# Altium PCB Bran_Main_Assay_PCB_v2.PcbDoc (part 11 of 15)
Units mil, origin at the board's own origin, x right, y up, seen from the top; angles counter-clockwise.
Board outline 3608.46 x 1899.79 mil, 6 copper layers (TOP, GND1, Singal, POWER, GND2, BOTTOM), stack 31.508 mil thick; 363 components, 288 nets, 1386 pads, 975 vias.
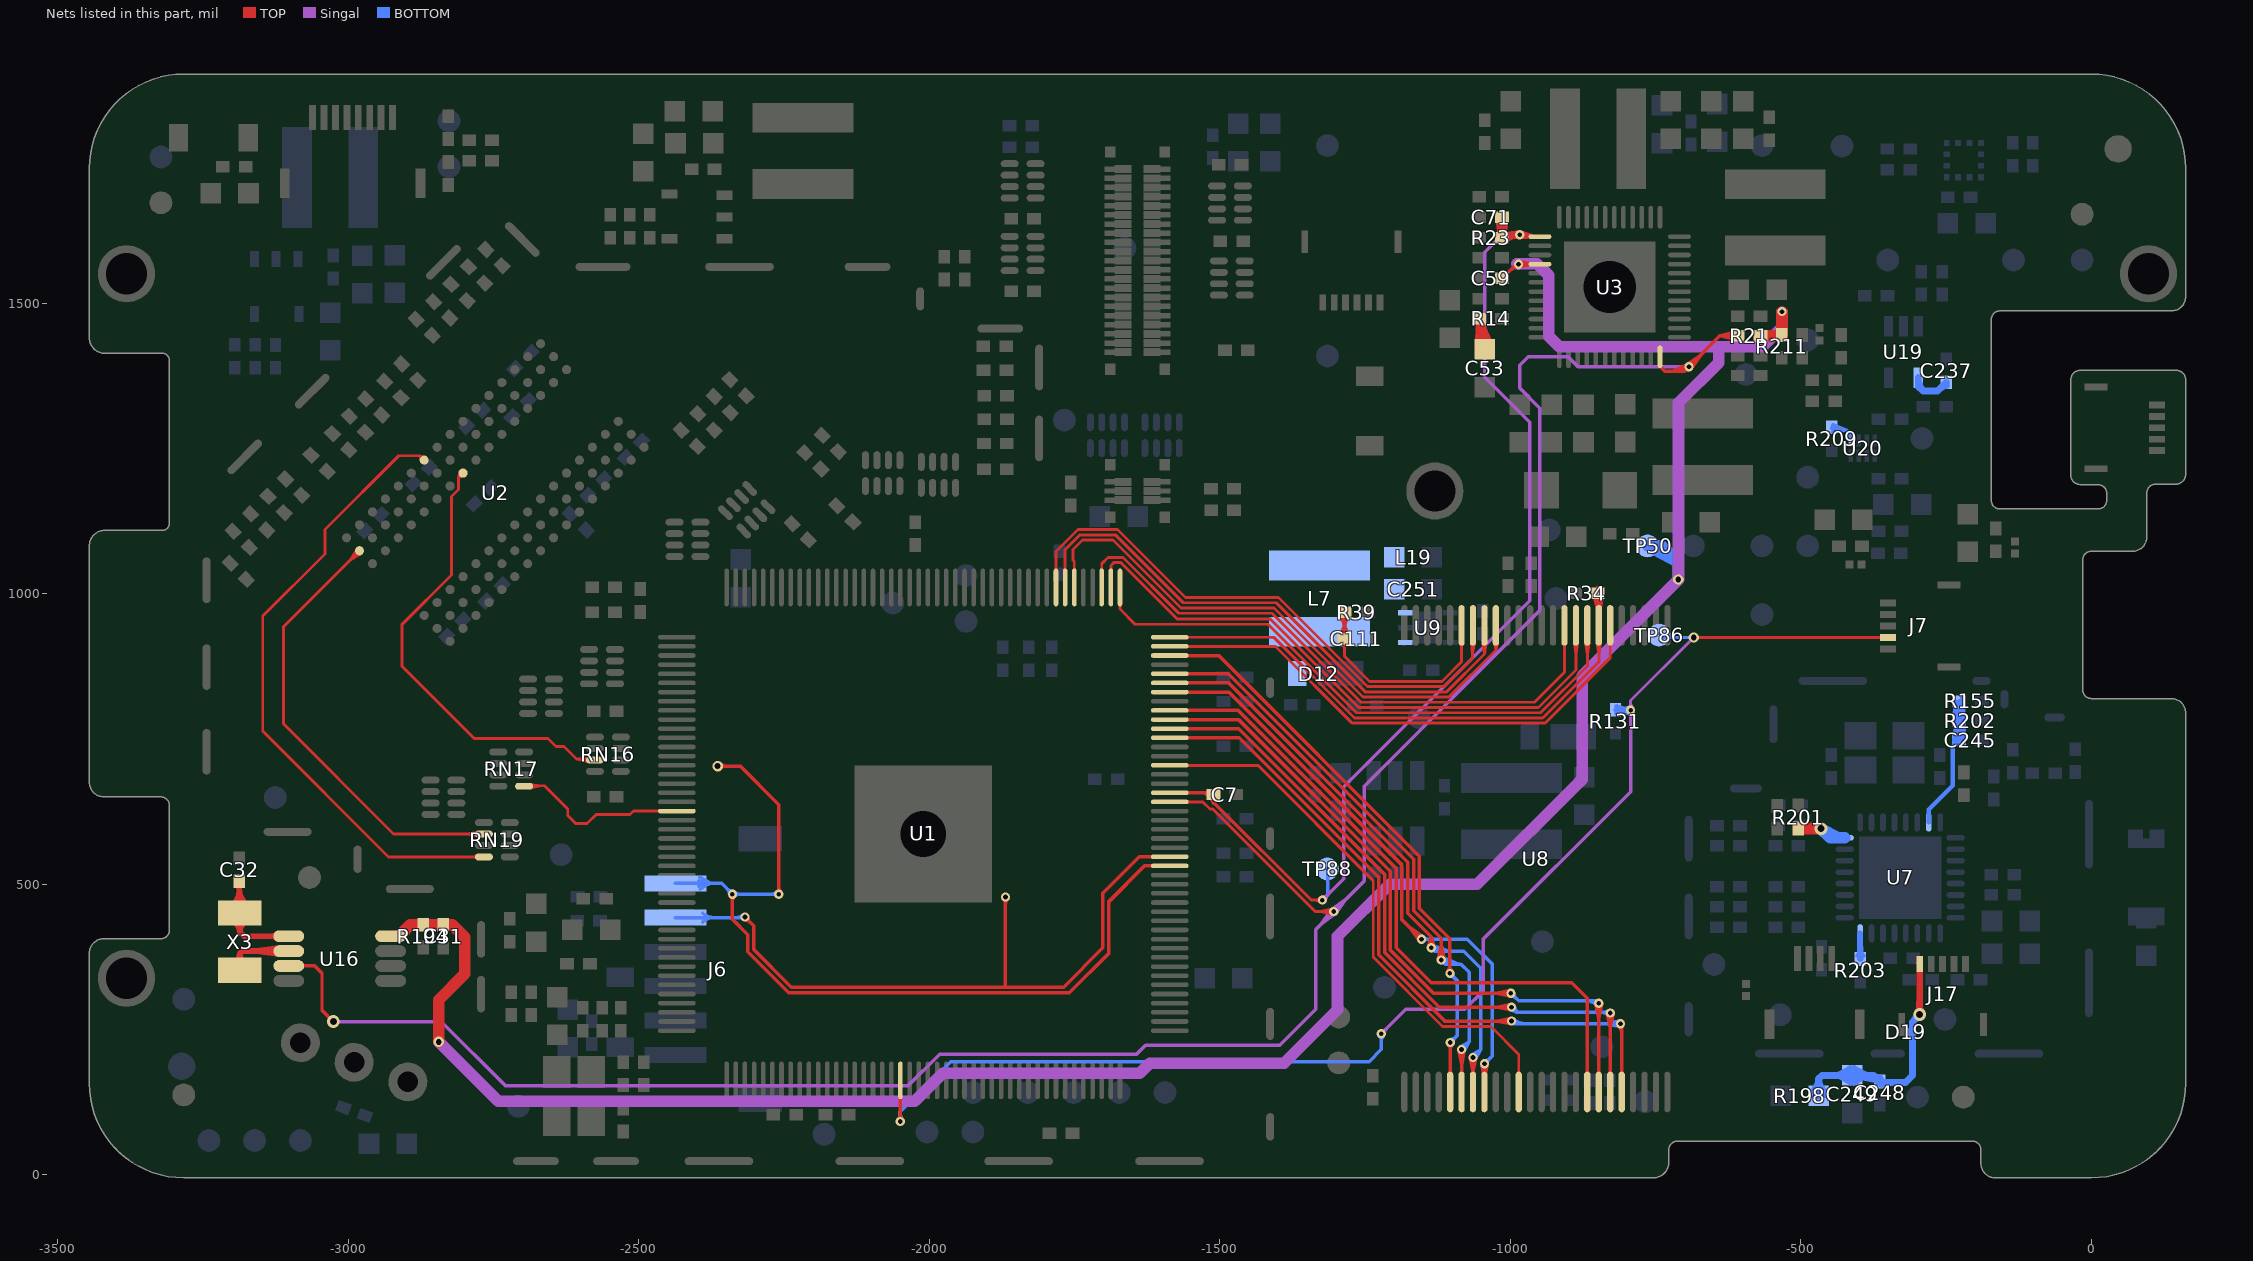
[diagram p15: the nets of this part, all layers, seen from the top]

## Via types
v1: diameter 16, hole 8, TOP to BOTTOM, tented both sides, 431 vias
v2: diameter 18, hole 10, TOP to BOTTOM, tented both sides, 257 vias
v3: diameter 22, hole 12, TOP to BOTTOM, tented both sides, 194 vias
v4: diameter 30, hole 18, TOP to BOTTOM, tented both sides, 69 vias
v5: diameter 24, hole 13, TOP to BOTTOM, tented both sides, 11 vias
v6: diameter 19.68, hole 7.87, TOP to BOTTOM, 9 vias
v7: diameter 22, hole 2, TOP to BOTTOM, tented both sides, 2 vias
v8: diameter 17.99, hole 10, TOP to BOTTOM, tented both sides, 1 vias
v9: diameter 20, hole 10, TOP to BOTTOM, tented both sides, 1 vias

## Nets (pads, with @x,y where several pads share a name; then routed paths per layer and width w, separated by ;. In a path a pad name is that pad's centre, name@x,y a point inside that pad or via, vN(x,y) a via of type N, cw(c..) or ccw(c..) an arc to the next point about the centre after c; other vN are vias at no path point) (continued)
N17556994: C32.2 U16.1 X3.2 | length 889.9
  TOP w10: X3.2@-3203.27,454.28 -3189.27,478.94 ; X3.2@-3203.02,446.06 -3189.08,427.73 ; X3.2@-3203,455.34 -3186.53,482 ; X3.2@-3201.94,443.28 -3184.95,427.73 ; X3.2@-3198.79,462.45 ccw(c-3224.81,488.46) -3188.02,488.46 ; X3.2@-3196.76,437.17 cw(c-3210.53,418.1) -3187.02,418.1 ; X3.2@-3193.66,450.3 -3189.08,427.73 ; X3.2@-3193.66,450.92 -3189.27,478.94 ; X3.2@-3193.62,451.48 -3186.53,482 ; X3.2@-3193.49,449.12 -3184.95,427.73 ; C32.2@-3191.44,500.38 cw(c-3199.71,492.11) -3188.02,492.11 cw(c-3176.32,492.11) C32.2@-3184.59,500.38 ; X3.2@-3188.02,463.96 C32.2@-3188.02,503.8 ; -3188.02,493.29 ccw(c-3144.4,493.29) X3.2@-3175.24,462.45 ; C32.2@-3188.02,505.77 -3188.02,451.67 X3.2@-3187.02,450.67 ; X3.2@-3180.54,449.12 -3189.08,427.73 ; X3.2@-3180.49,451.97 -3189.27,478.94 ; X3.2@-3180.39,451.27 -3186.53,482 ; X3.2@-3180.37,450.3 -3184.95,427.73 ; X3.2@-3177.27,437.17 ccw(c-3163.5,418.1) -3187.02,418.1 ; X3.2@-3172.09,443.28 -3189.08,427.73 ; X3.2@-3171.54,456.81 -3189.27,478.94 ; X3.2@-3171.01,446.06 -3184.95,427.73 ; X3.2@-3170.89,454.85 -3186.53,482 ; U16.1@-3122.66,407.14 ccw(c-3131.59,398.2) -3131.59,410.84 ccw(c-3131.59,423.48) U16.1@-3122.66,414.55 ; U16.1@-3102.61,410.84 -3179.76,410.84 -3187.02,418.1 ; -3189.27,478.94 X3.2@-3187.02,450.67 ; -3189.08,427.73 X3.2@-3187.02,450.67 ; -3187.02,418.1 X3.2@-3187.02,450.67 ; X3.2@-3187.02,450.67 -3186.53,482 ; X3.2@-3187.02,450.67 -3184.95,427.73
N17557015: U16.2 X3.1 | length 290.5
  TOP w10: X3.1@-3195.35,366.66 ccw(c-3203.69,381.1) -3187.02,381.1 ; X3.1@-3187.02,352.24 -3187.02,381.1 ; X3.1@-3178.68,366.66 cw(c-3170.34,381.1) -3187.02,381.1 ; U16.2@-3122.66,381.55 ccw(c-3131.59,372.61) -3131.59,385.25 ccw(c-3131.59,397.89) U16.2@-3122.66,388.95 ; U16.2@-3119.29,380.03 -3159.19,385.25 ; U16.2@-3119.29,390.48 -3159.19,385.25 ; U16.2@-3118.95,385.25 -3159.19,385.25 ; U16.2@-3102.61,385.25 -3182.87,385.25 -3187.02,381.1
N17569799: C237.1 U19.4 | length 138.5
  BOTTOM w12: U19.4@-297.87,1372.32 -297.87,1357.41 -289.46,1349 ; U19.4@-296,1362.48 ccw(c-279.23,1362.48) -291.09,1350.62 ; -293.75,1354.1 U19.4@-297.87,1362.48 ; -259.38,1354.4 cw(c-249.46,1344.47) C237.1@-249.46,1358.5 ; C237.1@-249.46,1364.32 -264.78,1349 -289.46,1349 ; U19.4@-297.87,1362.48 -289.46,1349 ; U19.4@-297.87,1362.48 -289.46,1349
N17725418: R201.2 U7.24 | length 188.4
  TOP w20: R201.2@-504.46,596.31 v3(-465.46,596) -465.78,596.31 R201.2@-504.46,596.31
  BOTTOM w20: U7.24@-424.49,580.2 -449.67,580.2 ; -449.67,580.2 U7.24@-435.32,580.2 ; -449.67,580.2 U7.24@-435.32,580.2 ; -449.67,580.2 v3(-465.46,596) U7.24@-435.32,580.2
N17726905: C245.2 R155.2 R202.2 U7.31 | length 1547.7
  BOTTOM w8: U7.31@-279.8,606.78 -279.8,628.93 ; U7.31@-279.8,617.61 -279.8,628.93 ; C245.2@-235.44,748.2 R202.2@-231.36,780.71 ; R202.2@-235.44,781.85 R155.2@-233.3,813.59 ; C245.2@-235.41,739.74 cw(c-229.6,733.94) C245.2@-229.6,742.15 ; C245.2@-235.34,746.89 cw(c-246.51,744.73) -238.46,736.69 ; R202.2@-233.45,782.51 R155.2@-227.63,814.99 ; C245.2@-233.41,748.83 R202.2@-225.66,781.99 ; C245.2@-233.31,749.34 R202.2@-222.15,783.78 ; R202.2@-231.4,783.07 R155.2@-222.15,816.67 ; R202.2@-231.39,783.16 R155.2@-221.8,815.42 ; C245.2@-231.32,749.46 R202.2@-219.82,782.11 ; C245.2@-231.16,749.98 -223.04,763.82 ; R202.2@-231.16,780 -223.04,766.16 ; R202.2@-231.16,783.98 -223.04,797.82 ; R155.2@-231.16,813 -223.04,799.16 ; C245.2@-229.79,752.12 ccw(c-248.24,770.58) -222.15,770.58 ; R202.2@-229.79,777.86 cw(c-248.24,759.41) -222.15,759.41 ; R202.2@-229.79,786.12 ccw(c-248.24,804.58) -222.15,804.58 ; R155.2@-229.79,810.86 cw(c-248.24,792.41) -222.15,792.41 ; C245.2@-229.6,747.99 R202.2@-231.36,780.71 ; R202.2@-229.6,781.99 R155.2@-233.3,813.59 ; R202.2@-227.63,781.99 R155.2@-227.63,814.99 ; R155.2@-225.66,814.99 -223.04,799.16 ; R202.2@-223.88,783.2 R155.2@-233.3,813.59 ; C245.2@-223.82,748.83 R202.2@-231.36,780.71 ; R155.2@-222.15,822 -222.15,814.99 -222.15,781.99 C245.2@-222.15,753 ; C245.2@-221.8,747.58 R202.2@-222.15,783.78 ; C245.2@-221.79,748.16 R202.2@-225.66,781.99 ; R202.2@-221.81,782.51 R155.2@-227.63,814.99 ; C245.2@-219.84,747.5 R202.2@-219.82,782.11 ; C245.2@-219.82,748.1 -223.04,763.82 ; R202.2@-219.82,781.83 R155.2@-221.8,815.42 ; R202.2@-219.82,781.88 -223.04,766.16 ; R202.2@-219.82,781.89 R155.2@-222.15,816.67 ; R155.2@-219.82,814.88 -223.04,799.16 ; -279.8,628.93 -238.46,670.27 -238.46,736.69 ; -238.46,736.69 -227.39,747.76 C245.2@-222.15,753 ; R155.2@-233.3,813.59 R202.2@-222.15,780.53 ; R202.2@-231.36,780.71 C245.2@-222.15,753 ; R155.2@-227.63,814.99 R202.2@-222.15,780.53 ; R202.2@-225.66,781.99 C245.2@-227.63,747.99 R202.2@-222.15,783.78 ; R202.2@-225.66,781.99 C245.2@-222.15,753 ; R202.2@-225.66,781.99 R155.2@-222.15,816.67 ; R202.2@-225.66,781.99 -223.04,766.16 ; R202.2@-225.66,781.99 R155.2@-221.8,815.42 ; R202.2@-225.66,781.99 -223.04,797.82 ; -223.04,763.82 -225.66,747.99 R202.2@-219.82,782.11 ; -223.04,797.82 R202.2@-219.82,782.1 ; C245.2@-222.15,753 R202.2@-219.82,782.11 ; R202.2@-222.15,780.53 R155.2@-221.8,815.42
N17728099: R203.2 U7.16 | length 166.8
  BOTTOM w10: R203.2@-400.89,377.08 ccw(c-408.07,384.26) -397.91,384.26 ; -397.91,386.43 ccw(c-384.69,386.43) R203.2@-394.04,377.08 ; U7.16@-397.91,413.5 -397.46,373.65 -397.91,405.01 R203.2@-397.91,372.13 ; U7.16@-397.91,415.83 R203.2@-397.91,372.13 ; R203.2@-397.46,371.69 R203.2@-397.91,372.13
N17734642: C248.2 C249.2 D19.1 J17.1 R198.1 | length 1293.4
  TOP w12: v3@-299,279.54 ccw(c-307.99,288.53) -295.28,288.53 ; -295.28,287.61 ccw(c-283.85,287.61) v3@-291.93,279.54 ; -295.28,313.41 J17.1@-295.28,355.32 ; -295.28,323 v3(-295.46,276) -295.28,276.19 J17.1@-295.28,363.19
  BOTTOM w12: R198.1@-480.83,138.74 -470.41,156.96 ; R198.1@-480.53,139.78 -468.48,156.96 ; R198.1@-477.73,144.28 ccw(c-497.73,164.28) -469.44,164.28 ccw(c-441.16,164.28) R198.1@-461.16,144.28 ; R198.1@-458.36,139.78 -470.41,156.96 ; R198.1@-458.06,138.74 -468.48,156.96 ; C249.2@-419.75,163.15 ccw(c-439.75,143.15) -439.75,171.44 ccw(c-439.75,199.72) C249.2@-419.75,179.72 ; C249.2@-415.25,160.35 -432.43,172.4 ; C249.2@-415.25,182.53 -432.43,170.47 ; C249.2@-414.21,160.05 -432.43,170.47 ; C249.2@-414.21,182.83 -432.43,172.4 ; C249.2@-409.67,159.86 -393.11,168.35 ; C249.2@-408.71,160.05 -390.5,170.47 ; C249.2@-408.71,182.83 -390.5,172.4 ; C249.2@-407.68,160.35 -390.5,172.4 ; C249.2@-407.68,182.53 -390.5,170.47 ; C249.2@-405.98,181.79 -393.11,168.35 ; C249.2@-403.49,162.85 cw(c-388.04,146.23) -382.17,168.15 ; C249.2@-403.18,163.15 cw(c-383.18,143.15) -383.18,171.44 cw(c-383.18,199.72) C249.2@-403.18,179.72 ; C249.2@-401.32,177.3 ccw(c-389.85,183.92) -393.27,171.12 ; C249.2@-394.45,171.44 cw(c-394.45,132.15) C248.2@-366.66,159.93 ; -384.28,170.1 C248.2@-363.94,162.65 ; -373.86,170.6 ccw(c-363.94,180.52) C248.2@-363.94,166.49 ; C248.2@-361.23,155.99 cw(c-353.98,148.75) -353.98,158.99 ; v3@-300.46,276 cw(c-312.54,276) -304,267.46 cw(c-295.46,258.93) v3@-295.46,271 ; -470.41,156.96 R198.1@-469.44,135.99 ; R198.1@-469.44,135.99 -468.48,156.96 ; R198.1@-469.44,135.99 -469.44,165.52 -463.53,171.44 C249.2@-411.46,171.44 ; -432.43,170.47 C249.2@-411.46,171.44 ; -432.43,172.4 C249.2@-411.46,171.44 ; C249.2@-411.46,171.44 -393.11,168.35 ; C249.2@-411.46,171.44 -390.5,172.4 ; C249.2@-411.46,171.44 -390.5,170.47 ; C249.2@-411.46,171.44 C248.2@-363.94,162.65 ; C249.2@-411.46,171.44 -374.7,171.44 ; -374.7,171.44 C248.2@-363.94,162.65 ; -374.7,171.44 C248.2@-363.94,162.65 ; -374.7,171.44 C248.2@-363.94,160.68 -362.26,158.99 -319.94,158.99 -307.93,171.01 -307.93,246 -307.93,263.54 ; -307.93,263.54 v3(-295.46,276) -307.93,263.54
N17747477: R209.1 U20.5 | length 228.8
  BOTTOM w6: R209.1@-446.27,1277.88 -421.46,1282 ; R209.1@-446.26,1286.89 R209.1@-446.46,1286.68 -441.78,1282 -421.46,1282 ; R209.1@-445.8,1277.91 -430.06,1282.88 ; R209.1@-444.81,1291.36 -421.46,1282 ; R209.1@-444.31,1291.21 -430.06,1282.88 ; R209.1@-441.63,1279.88 cw(c-436.5,1274.76) -436.5,1282 ; R209.1@-441.63,1289.55 ccw(c-423.39,1307.79) -423.39,1282 ; -418.55,1279.09 cw(c-426.95,1270.68) U20.5@-415.07,1270.68 ; -416.66,1276.63 -414.13,1270.68 -421.46,1282 ; U20.5@-414.13,1264.19 -414.13,1273.33 -413.46,1274 -421.46,1282 ; -430.06,1282.88 -446.46,1284.72 -421.46,1282
N17800108: C251.2 L7.1 L19.1 U9.6
N17800564: D12.2 L7.2 U9.4
N167142980: C53.1 R14.1 | length 914.3
  TOP w10: R14.1@-1057.12,1469.88 cw(c-1065.39,1461.62) -1053.7,1461.62 cw(c-1042.01,1461.62) R14.1@-1050.28,1469.88 ; C53.1@-1056.73,1420.47 -1051.31,1456.55 ; C53.1@-1056.73,1420.71 R14.1@-1050.75,1468.46 ; C53.1@-1056.67,1419.58 -1052.21,1439.39 ; C53.1@-1056.45,1423.49 -1045.66,1443.31 ; C53.1@-1053.7,1433.46 R14.1@-1053.7,1473.31 ; -1053.7,1449.87 ccw(c-1016.16,1449.87) C53.1@-1042.14,1422.77 ; R14.1@-1051.73,1473.31 -1045.66,1443.31 ; C53.1@-1035.22,1429.99 cw(c-993.7,1473.3) R14.1@-1053.7,1473.31 ; C53.1@-1034.57,1429.32 -1052.21,1439.39 ; C53.1@-1032.19,1425.48 -1051.31,1456.55 ; C53.1@-1032.11,1425.27 -1045.66,1443.31 ; C53.1@-1031.93,1424.77 R14.1@-1053.7,1470.77 ; C53.1@-1031.91,1424.7 R14.1@-1053.7,1471.64 ; C53.1@-1031.77,1424.23 R14.1@-1050.75,1468.46 ; R14.1@-1053.7,1470.77 C53.1@-1044.02,1420.81 ; R14.1@-1053.7,1470.77 -1056.7,1419.97 R14.1@-1053.7,1471.64 ; R14.1@-1053.7,1471.64 C53.1@-1044.02,1420.81 ; R14.1@-1053.7,1473.31 -1053.7,1430.49 C53.1@-1044.02,1420.81 ; -1052.21,1439.39 C53.1@-1044.02,1420.81 ; -1051.31,1456.55 C53.1@-1044.02,1420.81 ; R14.1@-1050.75,1468.46 C53.1@-1044.02,1420.81 ; -1045.66,1443.31 C53.1@-1044.02,1420.81
NALE: U1.7 U8.17 | length 1074.6
  TOP w5: U1.7@-1766.34,1011.13 -1766.34,1075.98 -1740.58,1101.74 -1680.05,1101.74 -1563.13,984.83 -1402.99,984.83 -1249.66,831.5 -1109.62,831.5 -1044.61,896.51 ; U1.7@-1766.34,1039.68 -1766.34,1058.61 ; U8.17@-1047.51,916.03 -1044.61,896.51 ; U8.17@-1046.67,914.18 cw(c-1051.64,909.21) -1044.61,909.21 cw(c-1037.57,909.21) U8.17@-1042.55,914.18 ; U8.17@-1044.61,916.24 -1044.61,896.51 ; U8.17@-1044.61,945.83 -1044.61,896.51 ; U8.17@-1041.7,916.03 -1044.61,896.51
NCE0-N: U1.2 U8.9 | length 1128.4
  TOP w5: U1.2@-1687.6,1011.13 -1687.6,1048.83 ; U1.2@-1687.6,1039.68 -1687.6,1048.83 ; U8.9@-890.03,916.03 -887.13,895.83 ; U8.9@-889.19,914.18 cw(c-894.16,909.21) -887.13,909.21 cw(c-880.09,909.21) U8.9@-885.07,914.18 ; U8.9@-887.13,916.24 -887.13,895.83 ; U8.9@-887.13,945.83 -887.13,869.15 -951.77,804.5 -1260.85,804.5 -1413.17,956.83 -1573.32,956.83 -1670.32,1053.83 -1682.6,1053.83 -1687.6,1048.83 ; U8.9@-884.22,916.03 -887.13,895.83
NCE1-N: U1.3 U8.10 | length 1070.2
  TOP w5: U1.3@-1703.34,1011.13 -1703.34,1051.83 ; U1.3@-1703.34,1039.68 -1703.34,1051.83 ; U8.10@-908.87,914.18 cw(c-913.84,909.21) -906.81,909.21 cw(c-899.78,909.21) U8.10@-904.75,914.18 ; U8.10@-906.81,945.83 -906.81,865.31 -958.62,813.5 -1257.12,813.5 -1410.45,966.83 -1570.59,966.83 -1666.59,1062.83 -1692.34,1062.83 -1703.34,1051.83
NCLE: U1.6 U8.16 | length 1054.2
  TOP w5: U1.6@-1750.59,1011.13 -1750.59,1055.94 ; U1.6@-1750.59,1039.68 -1750.59,1055.94 ; U8.16@-1027.82,915.91 -1024.92,903.47 ; U8.16@-1026.98,914.18 cw(c-1031.95,909.21) -1024.92,909.21 cw(c-1017.89,909.21) U8.16@-1022.86,914.18 ; U8.16@-1024.92,916.24 -1024.92,903.47 ; U8.16@-1024.92,945.83 -1024.92,903.47 ; U8.16@-1022.03,915.91 -1024.92,903.47 ; -1750.59,1055.94 -1752.65,1058 -1752.65,1076.6 -1736.5,1092.74 -1683.78,1092.74 -1566.86,975.83 -1406.72,975.83 -1253.39,822.5 -1105.89,822.5 -1024.92,903.47
ND0: U1.174 U8.29 | length 1195.8
  TOP w6: U1.174@-1586.22,894.01 -1502.19,894.01 -1156.52,548.33 -1156.52,458.89 -1104.02,406.39 v1(-1104.02,346.83) -1104.43,355.78 ; U1.174@-1557.67,894.01 -1535.74,894.01 ; v1@-1108.88,348.01 -1104.43,355.78 ; v1@-1108.24,226.53 -1103.23,218.75 ; v1@-1107.55,350.37 ccw(c-1116.09,358.91) -1104.02,358.91 ccw(c-1091.94,358.91) v1@-1100.48,350.37 ; v1@-1107,224.46 cw(c-1115.06,216.4) -1103.66,216.4 ; U8.29@-1105.37,173.97 ccw(c-1109.49,178.09) -1103.66,178.09 ccw(c-1097.83,178.09) U8.29@-1101.95,173.97 ; U8.29@-1103.66,142.68 v1@-1103.66,228 ; U8.29@-1103.66,172.26 -1103.66,195.68 ; -1103.66,215.45 cw(c-1090.92,215.45) v1@-1099.93,224.46 ; v1(-1103.46,228) -1103.23,218.75 ; v1@-1099.28,348.45 -1104.43,355.78 ; v1@-1098.62,226.77 -1103.23,218.75
  BOTTOM w6: v1@-1104.02,341.83 cw(c-1104.02,329.76) -1095.48,338.3 cw(c-1086.94,346.83) v1@-1099.02,346.83 ; v1(-1104.02,346.83) -1091.02,333.83 -1091.02,240.45 v1(-1103.46,228) ; v1@-1103.46,233 ccw(c-1103.46,245.07) -1094.93,236.54 ccw(c-1086.39,228) v1@-1098.46,228
ND1: U1.172 U8.30 | length 1632.6
  TOP w6: U1.172@-1586.22,862.51 -1485.69,862.51 -1166.52,543.33 -1166.52,454.74 -1119.02,407.24 v1(-1119.02,369.83) ; U1.172@-1557.67,862.51 -1535.74,862.51 ; v1@-1123.99,370.32 -1119.02,395.83 v1@-1114.04,370.32 ; v1@-1123.88,371.01 -1119.43,378.78 ; v1@-1123.75,371.45 -1118.6,378.78 ; v1@-1122.55,373.37 ccw(c-1131.09,381.91) -1119.02,381.91 ccw(c-1106.94,381.91) v1@-1115.48,373.37 ; v1@-1114.28,371.45 -1119.43,378.78 ; v1@-1114.16,371.01 -1118.6,378.78 ; v1@-1088.99,215.35 -1083.98,189.83 ; v1@-1088.87,214.65 -1084.39,206.83 ; v1@-1088.74,214.19 -1083.57,206.95 ; v1@-1087.55,212.3 cw(c-1096.18,203.67) -1083.98,203.67 ; U8.30@-1085.68,173.97 ccw(c-1089.8,178.09) -1083.98,178.09 ccw(c-1078.15,178.09) U8.30@-1082.27,173.97 ; U8.30@-1083.98,142.68 v1@-1083.98,215.8 ; U8.30@-1083.98,172.26 -1083.98,195.68 ; -1083.98,203.86 cw(c-1072.04,203.86) v1@-1080.48,212.3 ; v1@-1079.27,214.25 -1084.39,206.83 ; v1@-1079.15,214.67 -1083.57,206.95 ; v1@-1079.04,215.36 -1083.98,189.83 ; -1119.43,378.78 v1(-1119.02,369.83) ; v1(-1119.02,369.83) -1118.6,378.78 ; -1084.39,206.83 v1(-1084.02,215.83) ; -1083.98,189.83 v1(-1084.02,215.83) ; v1(-1084.02,215.83) -1083.57,206.95 ; v1(-1084.02,215.83) v1@-1083.98,215.8
  BOTTOM w6: v1@-1120.88,365.19 -1110.09,363.57 ; v1@-1119.83,364.9 -1099.36,364.06 ; v1@-1119.74,364.89 -1088.57,362.83 ; v1@-1119.72,369.13 ccw(c-1104.53,384.32) -1104.53,362.83 ; v1@-1117.51,374.6 -1088.57,362.83 ; v1@-1117.03,374.42 -1099.36,364.06 ; v1@-1115.48,373.37 ccw(c-1090.05,398.81) -1090.05,362.83 ; v1@-1115.28,373.16 -1110.09,363.57 ; v1@-1087.04,219.81 -1070.86,228.99 ; v1(-1084.02,215.83) -1070.86,228.99 ; v1@-1084.02,220.83 ccw(c-1084.02,232.91) -1075.48,224.37 ccw(c-1066.94,215.83) v1@-1079.02,215.83 ; v1@-1080.04,212.81 -1070.86,228.99 ; v1(-1119.02,369.83) -1099.36,364.06 ; v1(-1119.02,369.83) -1110.09,363.57 ; v1(-1119.02,369.83) -1088.57,362.83 ; v1(-1119.02,369.83) -1112.02,362.83 -1085.02,362.83 -1070.86,348.67 -1070.86,228.99
ND2: U1.171 U8.31 | length 1656.7
  TOP w6: U1.171@-1586.22,846.76 -1484.94,846.76 -1176.52,538.33 -1176.52,450.6 -1136.02,410.1 ; U1.171@-1557.67,846.76 -1535.74,846.76 ; v1@-1140.97,391.48 -1136.02,410.1 ; v1@-1140.88,392.01 -1136.43,399.78 ; v1@-1140.75,392.45 -1135.6,399.78 ; v1@-1139.55,394.37 ccw(c-1148.09,402.91) -1136.02,402.91 ccw(c-1123.94,402.91) v1@-1132.48,394.37 ; v1@-1131.28,392.45 -1136.43,399.78 ; v1@-1131.16,392.01 -1135.6,399.78 ; v1@-1131.06,391.48 -1136.02,410.1 ; v1@-1069.15,200.94 -1064.7,193.16 ; v1@-1069.02,200.5 -1063.88,193.16 ; v1@-1067.83,198.57 cw(c-1076.36,190.04) -1064.29,190.04 cw(c-1052.22,190.04) v1@-1060.76,198.57 ; U8.31@-1066,173.97 ccw(c-1070.12,178.09) -1064.29,178.09 ccw(c-1058.46,178.09) U8.31@-1062.58,173.97 ; U8.31@-1064.29,142.68 v1(-1064.29,202.11) ; U8.31@-1064.29,172.26 v1@-1064.29,195.68 ; v1@-1059.56,200.5 -1064.7,193.16 ; v1@-1059.43,200.94 -1063.88,193.16 ; -1136.43,399.78 v1(-1136.02,390.83) ; v1(-1136.02,390.83) -1135.6,399.78 ; v1(-1136.02,390.83) -1136.02,410.1 ; -1064.7,193.16 v1(-1064.29,202.11) ; U8.31@-1064.29,176.11 v1(-1064.29,202.11) ; U8.31@-1064.29,176.11 -1069.27,201.63 U8.31@-1064.29,176.11 ; U8.31@-1064.29,176.11 -1059.31,201.63 U8.31@-1064.29,176.11 ; U8.31@-1064.29,176.11 v1(-1064.29,202.11) ; v1(-1064.29,202.11) -1063.88,193.16
  BOTTOM w6: v1@-1136.72,390.13 ccw(c-1123.94,402.91) -1123.94,384.83 ; v1@-1136.66,385.88 -1117.89,385.94 ; v1@-1136.6,385.87 -1106.5,384.83 ; v1@-1134.62,395.63 -1106.5,384.83 ; v1@-1134.08,395.45 -1117.89,385.94 ; v1@-1132.48,394.37 ccw(c-1109.46,417.39) -1109.46,384.83 ; v1@-1067.32,206.09 -1051.18,215.23 ; v1(-1064.29,202.11) -1051.18,215.23 ; v1@-1064.29,207.11 ccw(c-1064.29,219.18) -1055.76,210.65 ccw(c-1047.22,202.11) v1@-1059.29,202.11 ; v1@-1060.31,199.08 -1051.18,215.23 ; v1(-1136.02,390.83) -1117.89,385.94 ; v1(-1136.02,390.83) -1106.5,384.83 ; v1(-1136.02,390.83) -1130.02,384.83 -1080.02,384.83 -1051.18,355.99 -1051.18,215.23
ND3: U1.170 U8.32 | length 1461.7
  TOP w6: U1.170@-1586.22,831.01 -1484.19,831.01 -1186.52,533.33 -1186.52,439.33 v1(-1153.02,405.83) -1173.74,426.56 ; U1.170@-1557.67,831.01 -1535.74,831.01 ; v1@-1158.02,405.83 ccw(c-1170.09,405.83) -1161.55,414.37 ccw(c-1153.02,422.91) v1@-1153.02,410.83 ; v1@-1156.84,402.61 -1173.74,426.56 ; v1@-1149.79,409.66 -1173.74,426.56 ; v1@-1049.58,190.94 U8.32@-1044.61,165.43 ; v1@-1049.56,190.77 U8.32@-1044.61,172.26 ; v1@-1049.47,190.25 -1045.02,182.48 ; v1@-1049.34,189.81 -1044.19,182.48 ; v1@-1048.14,187.89 cw(c-1056.68,179.35) -1044.61,179.35 cw(c-1032.54,179.35) v1@-1041.07,187.89 ; U8.32@-1046.31,173.97 ccw(c-1050.43,178.09) -1044.61,178.09 ccw(c-1038.78,178.09) U8.32@-1042.9,173.97 ; U8.32@-1046.02,144.09 U8.32@-1044.61,142.68 v1(-1044.61,191.43) ; v1@-1039.87,189.81 -1045.02,182.48 ; v1@-1039.75,190.25 -1044.19,182.48 ; v1@-1039.65,190.77 U8.32@-1044.61,172.26 ; v1@-1039.63,190.94 U8.32@-1044.61,165.43 ; -1045.02,182.48 v1(-1044.61,191.43) ; U8.32@-1044.61,165.43 v1(-1044.61,191.43) ; U8.32@-1044.61,172.26 v1(-1044.61,191.43) ; U8.32@-1044.61,172.26 v1(-1044.61,191.43) ; v1(-1044.61,191.43) -1044.19,182.48
  BOTTOM w6: v1@-1151.84,400.97 -1144.07,405.42 ; v1@-1151.4,410.57 -1144.07,405.42 ; v1@-1149.48,402.3 cw(c-1140.94,393.76) -1140.94,405.83 cw(c-1140.94,417.91) v1@-1149.48,409.37 ; v1(-1044.61,191.43) -1031.49,204.55 -1031.49,363.3 -1074.02,405.83 v1(-1153.02,405.83) -1144.07,405.42 ; v1@-1044.61,196.43 ccw(c-1044.61,208.5) -1036.07,199.96 ccw(c-1027.54,191.43) v1@-1039.61,191.43
ND4: U1.168 U8.41 | length 1219.6
  TOP w6: U1.168@-1586.22,799.52 -1468.7,799.52 -1196.52,527.33 -1196.52,391.2 -1136.15,330.83 -894.28,330.83 -867.44,304 U8.41@-867.44,142.68 ; U1.168@-1557.67,799.52 -1535.74,799.52 ; U8.41@-869.15,173.97 ccw(c-873.27,178.09) -867.44,178.09 ccw(c-861.61,178.09) U8.41@-865.73,173.97 ; U8.41@-867.44,172.26 -867.44,195.68
ND5: U1.167 U8.42 | length 1577.3
  TOP w6: U1.167@-1586.22,783.77 -1467.95,783.77 -1206.52,522.33 -1206.52,387.05 -1132.3,312.83 v1(-999.02,312.83) ; U1.167@-1557.67,783.77 -1535.74,783.77 ; v1@-1002.55,309.3 ccw(c-1011.09,300.76) -1011.09,312.83 ccw(c-1011.09,324.91) v1@-1002.55,316.37 ; v1@-1000.63,308.1 -1007.96,313.25 ; v1@-1000.63,317.57 -1007.96,312.42 ; v1@-1000.19,307.97 -1007.96,312.42 ; v1@-1000.19,317.69 -1007.96,313.25 ; v1@-999.5,307.86 -1025.02,312.83 ; v1@-999.5,317.81 -1025.02,312.83 ; v1@-852.73,295.09 -847.76,269.57 ; v1@-852.62,294.4 -848.17,286.63 ; v1@-852.49,293.96 -847.34,286.63 ; v1@-851.29,292.04 cw(c-859.83,283.5) -847.76,283.5 cw(c-835.68,283.5) v1@-844.22,292.04 ; U8.42@-849.46,173.97 ccw(c-853.58,178.09) -847.76,178.09 ccw(c-841.93,178.09) U8.42@-846.05,173.97 ; U8.42@-847.76,142.68 v1(-847.76,295.57) ; U8.42@-847.76,172.26 -847.76,195.68 ; v1@-843.02,293.96 -848.17,286.63 ; v1@-842.9,294.4 -847.34,286.63 ; v1@-842.78,295.09 -847.76,269.57 ; -1025.02,312.83 v1(-999.02,312.83) ; -1007.96,312.42 v1(-999.02,312.83) ; -1007.96,313.25 v1(-999.02,312.83) ; -848.17,286.63 v1(-847.76,295.57) ; -847.76,269.57 v1(-847.76,295.57) ; v1(-847.76,295.57) -847.34,286.63
  BOTTOM w6: v1@-999.02,307.83 cw(c-999.02,295.76) -990.48,304.3 cw(c-981.94,312.83) v1@-994.02,312.83 ; v1(-999.02,312.83) -985.86,299.67 -851.86,299.67 v1(-847.76,295.57) ; -869.72,299.67 cw(c-869.72,273.61) v1@-851.29,292.04 ; -855.24,299.67 cw(c-855.24,288.09) v1@-847.05,296.28
ND6: U1.166 U8.43 | length 1628.7
  TOP w6: U1.166@-1586.22,768.02 -1467.2,768.02 -1216.52,517.33 -1216.52,382.91 -1122.44,288.83 v1(-998.02,288.83) ; U1.166@-1557.67,768.02 -1535.74,768.02 ; v1@-1001.55,285.3 ccw(c-1010.09,276.76) -1010.09,288.83 ccw(c-1010.09,300.91) v1@-1001.55,292.37 ; v1@-999.63,284.1 -1006.96,289.25 ; v1@-999.63,293.57 -1006.96,288.42 ; v1@-999.19,283.97 -1006.96,288.42 ; v1@-999.19,293.69 -1006.96,289.25 ; v1@-998.5,283.86 -1024.02,288.83 ; v1@-998.5,293.81 -1024.02,288.83 ; v1@-833.05,278.3 -828.07,252.78 ; v1@-832.93,277.61 -828.48,269.83 ; v1@-832.8,277.17 -827.66,269.83 ; v1@-831.61,275.24 cw(c-840.14,266.71) -828.07,266.71 cw(c-816,266.71) v1@-824.54,275.24 ; U8.43@-829.78,173.97 ccw(c-833.9,178.09) -828.07,178.09 ccw(c-822.24,178.09) U8.43@-826.36,173.97 ; U8.43@-828.07,142.68 -828.07,277.57 -828.68,278.17 -829.28,278.78 v1(-828.07,278.78) ; U8.43@-828.07,172.26 -828.07,195.68 ; v1@-823.34,277.17 -828.48,269.83 ; v1@-823.21,277.61 -827.66,269.83 ; v1@-823.09,278.3 -828.07,252.78 ; -1024.02,288.83 v1(-998.02,288.83) ; -1006.96,288.42 v1(-998.02,288.83) ; -1006.96,289.25 v1(-998.02,288.83) ; -828.48,269.83 v1(-828.07,278.78) ; -828.07,252.78 v1(-828.07,278.78) ; v1(-828.07,278.78) -827.66,269.83